# Altium PCB WX0.007.247PCB-4.2.PcbDoc (part 2 of 2)
Units mil, origin at the board's own origin, x right, y up, seen from the top; angles counter-clockwise.
Board outline 4724.41 x 7748.1 mil, 2 copper layers (Top Layer, Bottom Layer), stack 12.8 mil thick; 181 components, 142 nets, 623 pads, 518 vias.
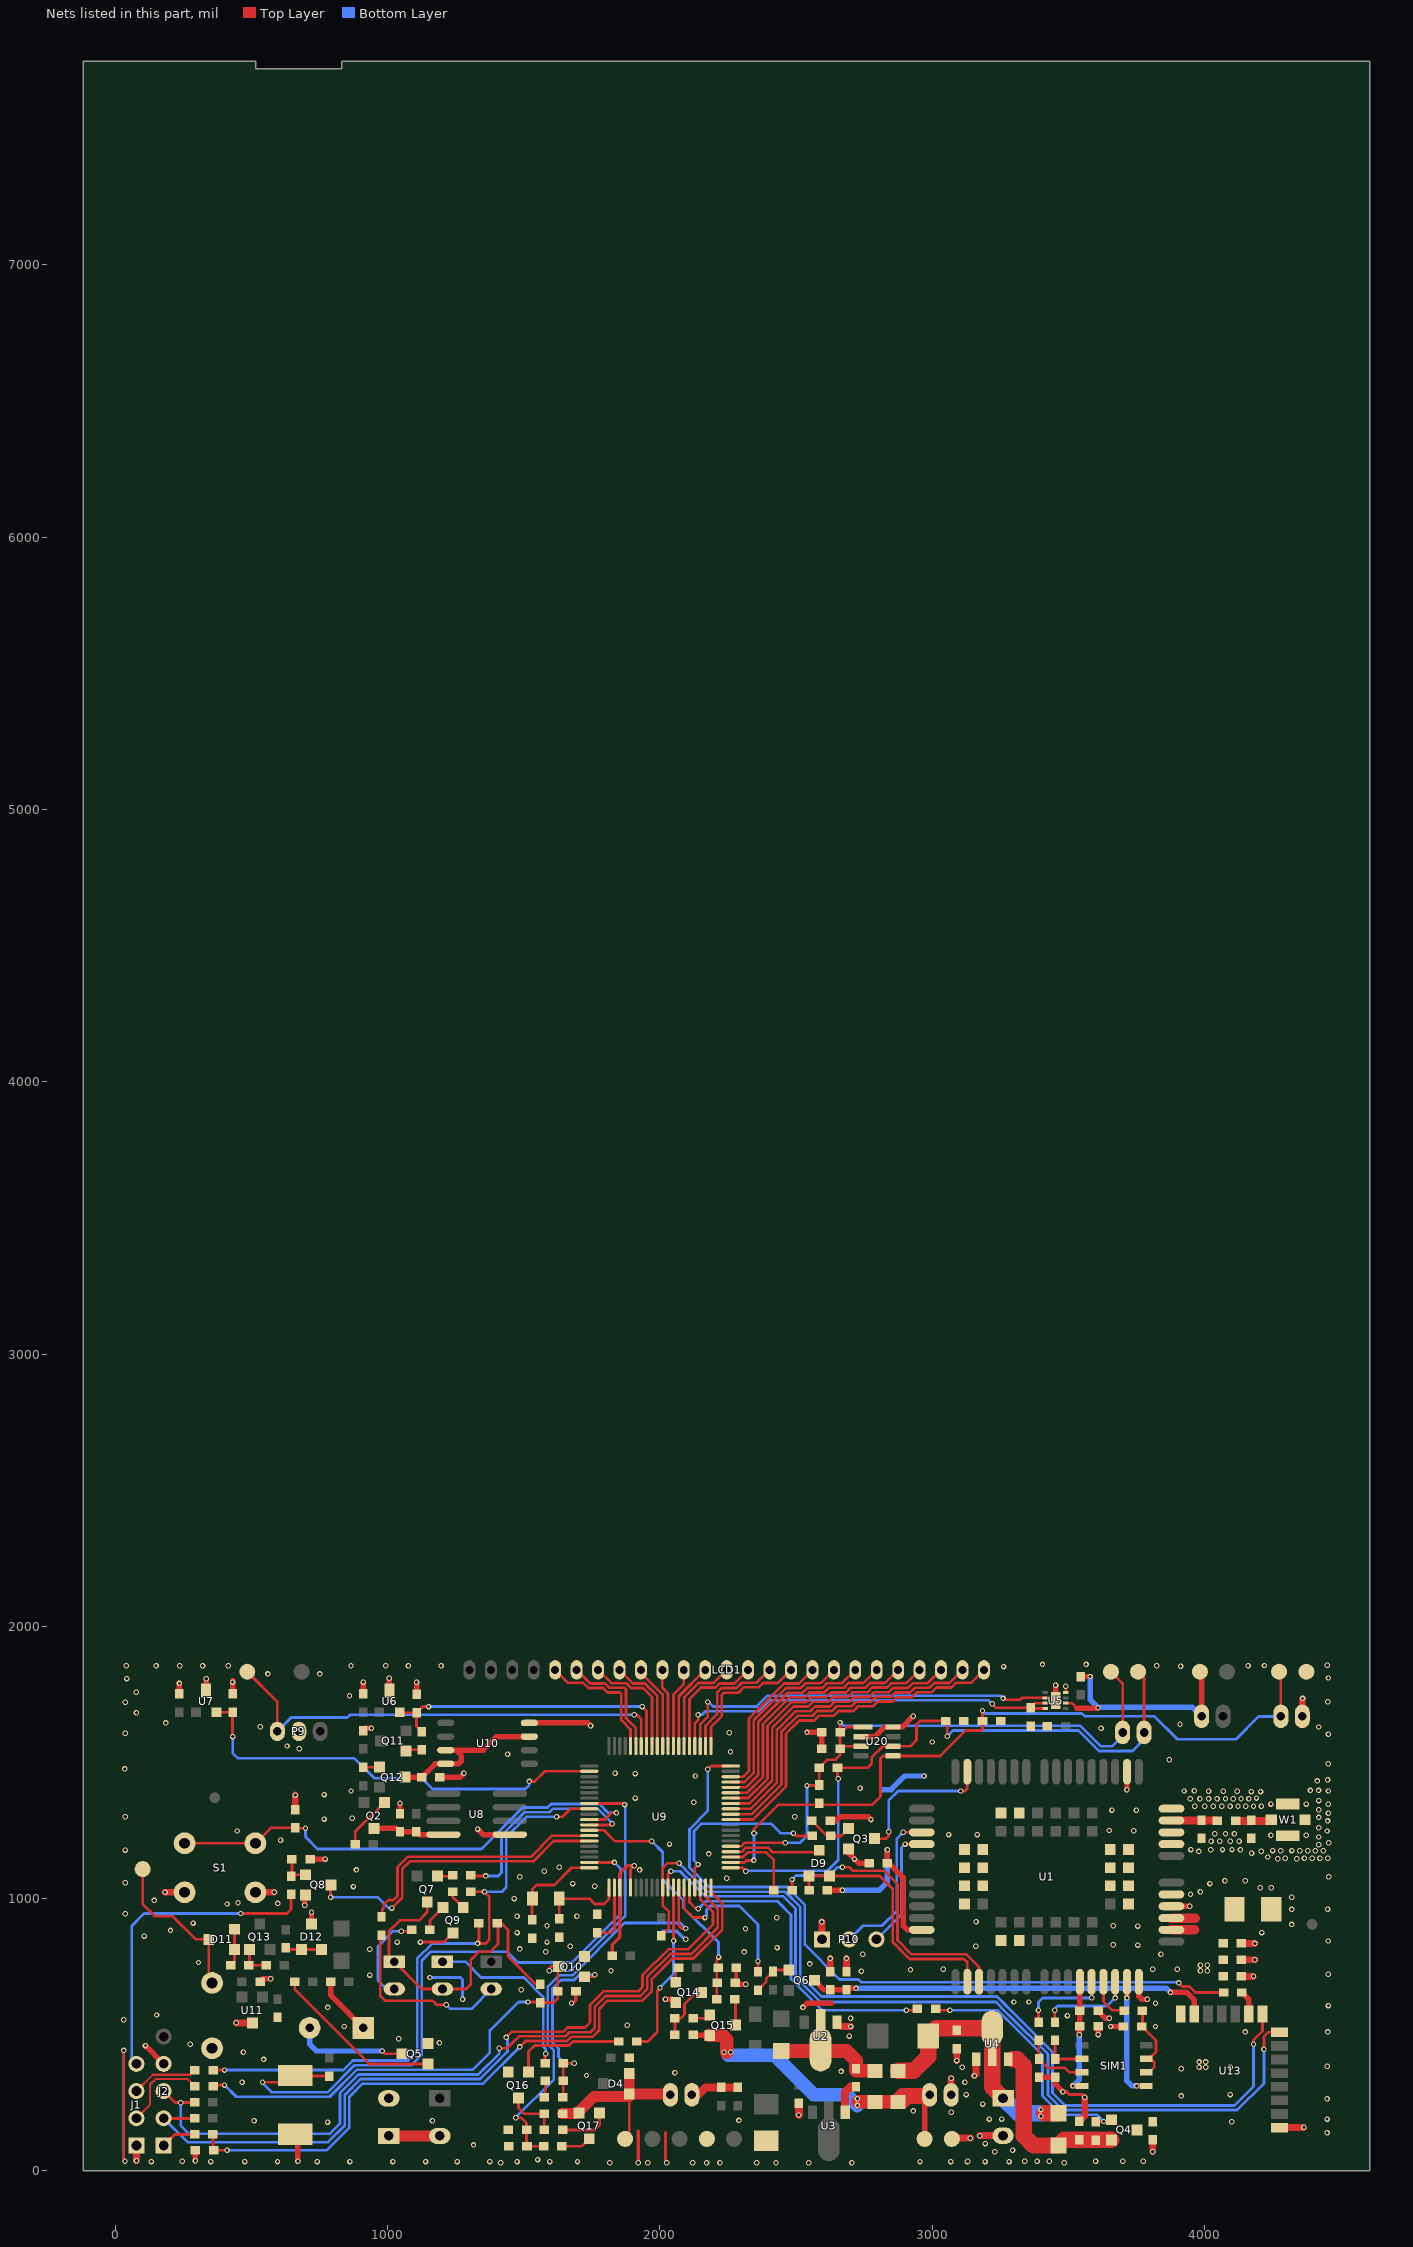
[diagram p2: the nets of this part, all layers, seen from the top]

## Via types
v1: diameter 20, hole 12, Top Layer to Bottom Layer, tented both sides, 518 vias

## Nets (pads, with @x,y where several pads share a name; then routed paths per layer and width w, separated by ;. In a path a pad name is that pad's centre, name@x,y a point inside that pad or via, vN(x,y) a via of type N, cw(c..) or ccw(c..) an arc to the next point about the centre after c; other vN are vias at no path point) (continued)
GND: C1.1 C2.1 C3.2 C4.2 C5.2 C7.2 C9.2 C10.2 C11.2 C12.2 C13.2 C14.2 C16.2 C17.2 C18.2 C19.2 C20.2 C21.2 C22.1 C23.1 C26.2 C27.2 C28.2 C29.2 C30.2 C31.2 C32.1 C33.1 C34.2 C35.2 C36.2 C38.2 C39.1 C41.1 C42.2 C43.2 C44.2 C45.2 C46.2 C47.2 C48.2 C49.2 C50.2 C51.1 C52.2 C60.2 C61.2 C66.2 C89.2 C90.1 D12.3 J1.1 J2.4 P1.1 P2.1 P5.2 P7.2 P9.2 P10.1 Q3.2 Q5.2 Q8.2 Q9.3 Q10.2 Q14.2 Q16.2 R28.1 R38.1 R41.1 R56.2 R82.2 S1.2 S2.2 TP5.1 TP6.1 TP12.1 U1.2 U1.43 U1.47 U1.48 U1.51 U1.52 U1.54 U1.59 U1.60 U1.61 U1.62 U1.63 U1.64 U1.65 U1.66 U1.71 U1.72 U1.73 U1.74 U1.81 U1.82 U1.83 U1.92 U1.93 U1.94 U2.1 U3.1 U4.1 U5.4 U5.9 U6.3 U7.3 U8.1 U9.63 U9.65 U10.4 U11.3 U13.1 U13.15 U20.2 U20.8 W1.2 | length 6543.1
  Top Layer w10: v1(30,442) 30,40 v1(35,35) ; v1(1120,840) v1@1126.91,840 ; v1@1121.79,834.88 v1@1126.91,840 ; Q9.3@1240,872.76 1207.24,840 v1@1126.91,840 ; R41.1@1578.49,273.49 C9.2@1578.49,330 ; U5.4@3490.41,1756.87 v1@3490.41,1779.59
  Top Layer w12: v1(1675,615) 1680,615 1690.92,625.92 1690.92,659.41 C66.2@1691.51,660 ; C39.1@1824.51,790 1824.51,830 1852.36,857.85 U9.63@1852.36,1040.16 1852.36,1092.36 1880,1120 v1(1905,1120) 1891.73,1106.73 U9.65@1891.73,1040.16 ; v1(1920,30) 1920,145 ; 2020,140 2020,35 v1(2025,30) ; R56.2@2280.49,693.49 C51.1@2280.49,745 ; v1(3480,290) 3494.31,290 3503.73,280.57 3549.43,280.57 v1(3560,270)
  Top Layer w20: v1(110,460) J2.4@177,393 ; C28.2@235,1751.51 v1(235,1790) ; v1(293.49,36.51) C43.2@293.49,75 ; U7.3@333,1764 v1(333,1807) ; C29.2@430,1751.51 v1@430,1800 ; C47.2@531.51,695 541.51,705 v1(570,705) ; S2.2@660,133.46 670,123.46 v1(670,35) ; v1(695,975) 695,1004.84 Q8.2@702.76,1012.6 ; R38.1@715,1145 v1(770,1145) ; D12.3@720,906.93 v1(720,950) ; C45.2@910,1616.51 918.49,1625 v1(940,1625) ; C27.2@910,1751.51 v1(910,1795) ; U6.3@1006,1764 v1(1006,1809) ; C34.2@1045,1311.51 v1(1045,1350) ; C30.2@1106,1749.51 v1(1106,1794) ; C36.2@1191.51,1445 1265,1445 v1(1280,1460) ; v1(1330,1255) 1350,1235 U8.1@1448.5,1235 ; U10.4@1520,1645 1735,1645 v1(1745,1635) ; v1(2020,630) 2045.35,630 Q14.2@2057.76,617.6 ; R56.2@2280.49,685 v1(2315,685) ; v1(2524.88,600) 2539.88,615 2630,615 ; v1(2540,1610) C33.1@2594.51,1610 C90.1@2594.51,1555 ; R28.1@2625,1285 2644.77,1285 2659.77,1300 2765,1300 v1(2775,1290) ; Q3.2@2692.76,1182.6 2692.76,1166.74 2729.5,1130 C26.2@2768.49,1130 ; U20.2@2738.03,1594.72 2789.72,1594.72 2825.16,1630.16 U20.8@2856.14,1630.16 2889.84,1630.16 2929.69,1670 v1(2930,1670) ; C19.2@3392.13,343.61 C20.2@3451.88,343.61 3451.88,318.12 v1(3480,290) ; U5.9@3453,1727.34 v1(3453,1783) ; v1(3609.53,500.47) C11.2@3609.53,531.08 C11.2@3610.53,530.08 ; C12.2@3609.53,587.08 3636.61,560 v1(3650,560) ; v1(3655.08,530.08) C21.2@3701.86,530.08 ; v1@3715.28,1400.28 U1.2@3715.28,1465.83 ; U1.43@3758.58,694.17 3758.58,641.42 3770,630 v1(3790,630) ; U1.47@3878.66,971.73 v1(3946.21,971.73)
  Top Layer w25: v1(77,37) J1.1@77,93 ; v1(182,1023) S1.2@254,1023 ; v1(443.31,543.31) U11.3@502.76,543.31 ; S1.2@514,1023 v1(583,1023) ; C31.2@660,1326.51 v1(660,1380) ; P10.1@2595,850 v1@2595,915 ; C60.2@2625,731.51 v1(2625,780) ; U2.1@2650,545 2665,530 v1(2700,530) ; C61.2@2685,731.51 v1(2685,780) ; P1.1@3069.37,279 v1@3069.37,339.37 ; TP5.1@3072,117 3075,120 v1(3140,120) ; v1(3090,405) C50.2@3090,448.49 ; v1(3155,349) 3160.94,354.94 U4.1@3160.94,409.57 ; v1(3174.1,129.1) C13.2@3260,129.1 ; C52.2@3540,181.51 3560,201.51 v1(3560,270) ; v1(3810,70) C46.2@3810,113.49 ; C16.2@4135.01,714 v1@4179,714 ; C17.2@4135.01,775 v1(4185,775) ; C18.2@4135.01,835 v1(4185,835) ; U13.1@4275.32,158.62 v1@4363.62,158.62 ; P7.2@4359,1669 v1@4359,1734
  Top Layer w30: P2.1@2116.74,279 2139,279 2166.51,306.51 C5.2@2225,306.51 C4.2@2285,306.51 ; v1(2510,205) C3.2@2510,248.49 ; U3.1@2680,215 2680,289 2699.49,308.49 C7.2@2720,308.49
  Bottom Layer w10: v1@30,35 v1@30,437 ; v1(1155,710) 1267.09,710 1275,702.09 v1(1275,630)
  Bottom Layer w12: 2008.92,879.62 2061.54,879.62 2091.16,850 v1(2095,850)
  Bottom Layer w20: 2815,1400 2848.89,1400 2898.89,1450 v1(2970,1450)
  other v1: 1415,30 1815,30 1955,30 2120,30 2171,30 2220,30 2355,30 2426,30 2546,30 2705,30 3485,30 131,34 350,34 475,34 595,34 741,34 861,34 1019,34 1139,34 1255,34 1375,34 1475,34 1595,34 1697,34 2955,34 3068,34 3128,34 3194,34 3282,34 245,35 3130,35 3340,35 3385,35 3430,35 3600,35 3700,35 3775,35 1550.32,41.15 3230,70 3295,75 1315,95 3195,100 4450,140 4365,160 779,179 4100,180 509,184 1164,184 2290,185 3210,190 3255,190 4450,190 3070,215 2930,220 3185,245 4450,265 3915,275 3125,280 4095,280 465,325 3120,325 3070,340 1730,350 2055,360 2665,365 3915,375 3110,380 4095,380 4451,384 544,409 470,435 275,465 1190,470 1040,485 2695,495 4150,510 4453,510 840,530 3820,530 1880,535 30,555 2700,560 3496.38,570.1 150.78,572.29 780,600 4455,607 3820,615 3300,620 3355,620 1490,665 4180,715 934,719 4454,722 2740,733 1820,735 2920,738 3040,740 3810,740 3900,740 2550,760 305,765 2745,795 3840,795 2309,804 1580,805 934,814 1485,815 2430,820 1670,825 3160,825 3755,829 3665,830 1035,840 1585,840 4454,844 106,862 1475,875 4210,875 202,883 2314,889 3755,899 1585,900 3665,900 4320,905 285,910 2594,914 3161,915 2429,929 1475,934.49 1695,934.49 36,944 4320,960 4452,961 409.74,980 596,982 450,985 142,993 1465,1000 4320,1005 3948.51,1015.51 3985,1025 4205,1040 4245,1040 874,1044 1760,1045 1680,1055 4020,1055 36,1058 4075,1065 4150,1065 2245,1075 1485,1080 4456,1080 1575,1100 885,1105 1925,1105 1630,1115 2714.5,1145 4269,1146 4339,1146 4297,1148 4367,1148 4396,1148 4424,1148 4453,1148 4232.63,1152.6 2179,1164 4173,1166 3979,1173 4208,1174 4280,1176 4350,1176 4379,1176 4407,1176 4436,1176 4251.01,1176.31 4321.01,1176.31 36,1178 4023,1179 4132,1179 3950,1180 4066,1180 4101,1180 4420,1198 2035,1200 4456,1205 4024,1210 4056,1210 4095,1210 4127,1210 606.34,1214.01 4420,1226 4244,1232 4374,1232 3060,1235 3165,1235 4038,1238 4077,1238 4110,1238 447,1248 4450,1248 3740,1249 3650,1250 4420,1260 4452,1285 766,1292 870,1295 4420,1298 36,1300 2495,1300 4455,1313 3750,1324 3660,1325 4420,1326 3964,1339 4001,1339 4032,1339 4063,1339 4094,1339 4123,1339 4151,1339 4180,1339 4208.99,1338.69 4454,1346 4244,1347 4374,1347 2124,1354 4420,1360 3948,1367 3983,1367 4015,1367 4046,1367 4077,1367 4106,1367 4134,1367 4163,1367 1909,1369 4191,1369 766,1382 4172,1393 4206,1393 4015,1394 4069,1394 4120,1394 865,1395 3925,1395 4455,1395 3963,1396 4389,1397 4419,1397 3715,1400 2735,1405 4414,1432 4452,1436 2130,1450 1909,1459 1835,1460 34,1476 4454,1495 3870,1510 1440,1530 2259,1539 675,1550 630.36,1560.32 3000,1575 4455,1603 36,1607 2254,1609 3620,1625 4420,1630 531.55,1630.74 3910,1640 185,1645 77,1682 36,1721 4453,1723 4360,1735 859.5,1745.26 76,1758 3490,1780 430,1795 41,1808 4455,1810 560,1825 750,1825 3262,1852 3912,1853 40,1855 149,1855 236,1855 320,1855 414,1855 865,1855 993,1855 1076,1855 1196,1855 3825,1855 4160,1855 4220,1856 4451,1857 3405,1860 3565,1860
GPRS_POWER: R18.1 U9.76 | length 1217.9
  Top Layer w10: U9.76@2108.27,1040.16 2108.27,986.73 2132.92,962.08 v1(2140.51,962.08) ; v1(2905,590) 2940,590 R18.1@2945,595
  Bottom Layer w10: v1(2140.51,962.08) 2168.43,990 2431,990 2481,940 2481,704 2595,590 v1(2905,590)
GPRS_RST: R19.1 U9.77 | length 683.3
  Top Layer w10: U9.77@2127.95,1040.16 2127.95,1112.95 v1(2140,1125) ; v1(2490,1240) 2500,1230 R19.1@2560,1230
  Bottom Layer w10: v1(2140,1125) 2125,1140 2125,1247.05 2152.95,1275 2407.43,1275 2442.43,1240 v1(2490,1240)
HALL1_INTP6: C29.1 U7.2 U9.42 | length 1608.1
  Top Layer w10: U7.2@371,1684 429.49,1684 C29.1@430,1684.51 v1@430,1595 ; v1(1520,1430) 1539.49,1430 1576.81,1467.32 U9.42@1740.16,1467.32
  Bottom Layer w10: v1(430.49,1595) 430.49,1535 450.49,1515 877.43,1515 950.43,1442 1124.47,1442 1164.47,1402 1505,1402 1520,1417 v1(1520,1430)
HALL2_INTP7: C30.1 R3.1 U6.2 U9.33 | length 1127.5
  Top Layer w10: U6.2@1045.49,1682.51 C30.1@1106,1682.51 ; R3.1@1125,1613.36 1106,1632.36 C30.1@1106,1682.51 ; v1(1150,1705) 1128.49,1705 C30.1@1106,1682.51 ; v1(1935,1705) 1950.79,1689.21 U9.33@1950.79,1559.84
  Bottom Layer w10: v1(1150,1705) v1(1935,1705)
IRDA_CTL: R17.1 U9.52 | length 812.9
  Top Layer w10: R17.1@1305,1085 1307,1083 v1(1360,1083) ; U9.52@1740.16,1270.47 1820.47,1270.47 v1(1825,1275)
  Bottom Layer w10: v1(1360,1083) 1406,1083 1418,1095 1418,1232.04 1502.96,1317 1594.57,1317 1607.57,1330 1770,1330 v1(1825,1275)
IRDA_POW: D5.1 D6.2 Q7.3 R20.1 R27.2 | length 1260.2
  Top Layer w10: Q7.3@1147.5,985.26 Q7.3@1145,987.76 1145,950 1115,920 1045,920 1005,880 1005,787 D5.1@1024,768 1124,668 D6.2@1201,668 1288,668 1305,685 1305,775 1335,805 1377.43,805 1405,832.57 1405,870.5 1405,907 R27.2@1402,910 1417,910 1442,885 1442,788 1545,685 R20.1@1560,685
IRDA_RXD1: C66.1 Q10.3 R20.2 R37.2 U9.48 | length 2548.8
  Top Layer w10: R37.2@358.86,310.72 363.14,315 v1(400.49,315) ; v1(1515,620) R20.2@1558,620 ; R20.2@1560,618 1610.07,618 1624.51,632.44 C66.1@1624.51,660 1624.51,746.75 Q10.3@1627.76,750 1600,750 1592.76,742.76 v1(1592.76,735) ; U9.48@1740.16,1349.21 1865.79,1349.21 v1(1870,1345)
  Bottom Layer w10: v1(400.49,315) 443.49,272 787,272 886,371 1311,371 1375,435 1375,515 1480,620 v1(1515,620) ; v1(1592.76,735) 1670.96,735 1872,936.04 1872,1343 v1(1870,1345)
IRDA_TXD1: R10.1 R27.1 R36.2 U9.49 | length 2335.9
  Top Layer w10: R36.2@358.86,369.4 359.46,370 v1(400.49,370) ; R10.1@1305,1025 v1(1355,1025) 1372.5,1007.5 1372.5,847.5 1360,835 v1(1330,835) ; v1@1335,840 R27.1@1335,910 ; v1(1620,1300) 1640.96,1300 1670.49,1329.53 U9.49@1740.16,1329.53
  Bottom Layer w10: v1(400.49,370) 836.92,370 871.92,405 1075,405 1108,438 1108,779 1164,835 v1(1330,835) ; v1(1355,1025) 1420,1025 1435,1040 1435,1225 1510,1300 v1(1620,1300)
KEY_INTP0: C31.1 S1.1 U9.51 | length 1851.1
  Top Layer w10: S1.1@254,1203 S1.1@514,1203 570.51,1259.51 C31.1@660,1259.51 661.56,1257.95 v1(697.95,1257.95) ; U9.51@1740.16,1290.16 1797.73,1290.16 1822.57,1315 v1(1840,1315)
  Bottom Layer w10: v1(697.95,1257.95) 697.95,1227.05 742.76,1182.24 1344.16,1182.24 1495.92,1334 1587.53,1334 1600.53,1347 1777.04,1347 1809.04,1315 v1(1840,1315)
LED: R7.1 U9.54 | length 971
  Top Layer w10: R7.1@977,933.01 980,936.01 980,960.39 985,965.39 985,977.43 1002.57,995 1020.96,995 1036,1010.04 1036,1115.7 1074.3,1154 1528.04,1154 1564.98,1190.94 1564.98,1192.85 1603.23,1231.1 U9.54@1740.16,1231.1
MCU_RXD0: R29.2 U9.3 | length 294.1
  Top Layer w10: U9.3@2259.84,1152.36 2305.45,1152.36 2323.08,1170 2390,1170 2418,1142 R29.2@2418,1025
MCU_TXD0: D9.3 U9.4 | length 331.1
  Top Layer w10: U9.4@2259.84,1172.05 2301.09,1172.05 2316.04,1187 2397.04,1187 2414.04,1170 D9.3@2577.76,1170
NetB1_1: B1.1 R42.1 | length 219.7
  Top Layer w20: R42.1@790,695 790,645 825,610 B1.1@910,525
NetB1_2: B1.2 Q5.3 | length 414.1
  Top Layer w10: v1(980,440) 990,430 Q5.3@1052.76,430
  Bottom Layer w20: B1.2@713.15,525 713.15,465 738.15,440 v1(980,440)
NetC1_2: C1.2 R2.1 W1.1 | length 126.8
  Top Layer w30: R2.1@4114.17,1285 W1.1@4241,1285
NetC2_2: C2.2 R2.2 U1.53 | length 166.8
  Top Layer w30: U1.53@3878.66,1286.69 R2.2@4045.48,1286.69
NetC6_2: C6.2 C44.1 | length 187.3
  Top Layer w40: C44.1@1004,128.1 C6.2@1191.32,128.1
NetC9_1: C9.1 Q10.1 R9.1 R41.2 | length 696.7
  Top Layer w10: R41.2@1645,273 R9.1@1645,395 v1(1685,395) ; Q10.1@1722.24,712.6 1752.6,712.6
  Bottom Layer w10: v1(1685,395) 1650,395 1627,418 1627,449.47 1605,471.47 1605,670 1636,701 1685.04,701 1704.04,720 v1(1760,720)
NetC13_1: C13.1 C50.1 D1.2 D13.2 R50.1 U4.2 | length 948.1
  Top Layer w60: D13.2@2875,367.09 2932.09,367.09 2985,420 D1.2@2985,495 3013.74,523.74 U4.2@3220,523.74 U4.2@3220,434.57 3220,306.9 C13.1@3260,266.9 ; 3411.13,211.13 R50.1@3463.87,211.13
  Bottom Layer w60: C13.1@3260,266.9 3315.77,211.13 3405,211.13
  other v1: 3399.06,200 3399.06,225
NetC34_1: C34.1 Q2.3 R45.1 U8.8 | length 263.8
  Top Layer w20: Q2.3@950,1257.76 1031.75,1257.76 1044.51,1245 R45.1@1105,1245 1115,1235 U8.8@1204.41,1235
NetC36_1: C36.1 Q12.3 U10.3 U10.7 U10.8 | length 605.8
  Top Layer w20: Q12.3@1065.17,1445 C36.1@1124.51,1445 1174.51,1495 U10.8@1212.91,1495 1260,1495 1270,1505 1270,1525 1250,1545 ; U10.7@1212.91,1545 1250,1545 ; U10.3@1520,1595 1400,1595 1350,1545 1250,1545
NetC38_1: C38.1 U9.62 | length 220.6
  Top Layer w10: C38.1@1770,874.51 1819.51,874.51 1832.68,887.68 U9.62@1832.68,1040.16
NetC52_1: C52.1 Q4.2 R16.2 R50.2 U4.3 | length 653.5
  Top Layer w60: 3295,410 3312.5,410 3336.37,386.13 3336.37,128.63 3371.98,93.02 R50.2@3463.87,93.02 3484.58,113.73 Q4.2@3657.76,113.73
NetD5_2: D5.2 R12.2 | length 340
  Top Layer w10: v1(1050,880) R12.2@1083,880
  Bottom Layer w10: D5.2@1024,668 995,668 964,699 964,824 1020,880 v1(1050,880)
NetD6_1: D6.1 R9.2 | length 672
  Top Layer w10: R9.2@1578,395 1578,428 v1(1580,430)
  Bottom Layer w10: D6.1@1201,768 1285,768 1343,710 1500,710 1571,639 1571,457.38 1580,448.38 v1(1580,430)
NetD7_2: D7.2 R7.2 | length 685.2
  Top Layer w10: R7.2@977,866.01 972.63,866.01 972.63,642.37 990,625 1165,625 1180,610 v1(1215,610)
  Bottom Layer w10: v1(1215,610) 1230,595 1307,595 D7.2@1380,668
NetD9_1: D9.1 D9.2 R34.2 U1.29 | length 950.9
  Top Layer w10: R34.2@2547.6,1030.4 D9.1@2547.6,1082.76 D9.2@2622.4,1082.76 2807.24,1082.76 2855,1035 2855,840 2917,778 3117,778 3128.66,766.34 U1.29@3128.66,694.17
NetD11_1: D11.1 D11.2 R74.2 | length 138.3
  Top Layer w10: R74.2@423,755 437.24,769.24 D11.1@437.24,812.6 D11.2@437.24,887.4
NetD11_3: D11.3 P5.1 TP20.1 | length 589.7
  Top Layer w10: TP20.1@100,1108 100,980 145,935 210,935 295,850 D11.3@342.76,850 342.76,702.24 P5.1@355,690
NetD12_1: D12.1 D12.2 R75.1 | length 134.9
  Top Layer w10: R75.1@625,818.44 631,812.44 D12.1@682.6,812.44 D12.2@757.4,812.44
NetJ1_2: J1.2 R37.1 | length 329.1
  Top Layer w8: J1.2@77,193 127,243 127,317 147.47,337.47 265.1,337.47 R37.1@291.86,310.72
NetJ1_3: J1.3 R36.1 | length 246.5
  Top Layer w8: J1.3@77,293 136.47,352.47 274.93,352.47 R36.1@291.86,369.4
NetJ1_4: J1.4 R31.1 | length 1178.9
  Top Layer w10: v1(460,945) 630,945 645,960 R31.1@645,1015
  Bottom Layer w10: J1.4@77,393 60,410 60,900 105,945 v1(460,945)
NetJ2_1: J2.1 R1.2 | length 130.7
  Top Layer w10: J2.1@177,93 217.68,133.68 R1.2@290.86,133.68
NetP10_2: P10.2 U1.19 | length 584.5
  Top Layer w10: v1(2893.39,1243.39) U1.19@2961.34,1243.39
  Bottom Layer w10: P10.2@2695,850 2745,900 2815,900 2870,955 2870,1220 v1(2893.39,1243.39)
NetP10_3: P10.3 U1.20 | length 454.9
  Top Layer w10: v1(2900.08,1200.08) U1.20@2961.34,1200.08
  Bottom Layer w10: P10.3@2795,850 2887,942 2887,1187 v1(2900.08,1200.08)
NetQ2_1: Q2.1 R44.2 | length 196.5
  Top Layer w10: R44.2@880.64,1200 880.64,1245.48 Q2.1@987.4,1352.24
NetQ3_1: Q3.1 R19.2 R28.2 | length 157.6
  Top Layer w10: R28.2@2558,1285 R19.2@2613,1230 ; R19.2@2627,1230 2665,1230 2687.76,1252.76 Q3.1@2687.76,1262.4
NetQ4_1: Q4.1 R16.1 R18.2 | length 938.4
  Top Layer w10: R18.2@3012,595 3017,590 v1(3065,590) ; R16.1@3608.87,181.13 v1(3630,181.13) 3659.23,181.13 Q4.1@3666.63,188.53
  Bottom Layer w10: v1(3065,590) 3239.49,590 3273.49,556 3274,556 3405,425 3405,274.49 3473.49,206 3605.13,206 v1(3630,181.13)
NetQ5_1: Q5.1 R47.2 | length 630.9
  Top Layer w10: R47.2@658,695 658,667 683,642 932.4,392.6 Q5.1@1147.24,392.6
NetQ6_1: Q6.1 R69.2 R70.2 | length 150.8
  Top Layer w10: R70.2@2360,664 2390,694 2390,707 R69.2@2415,732 2420.4,737.4 Q6.1@2472.76,737.4
NetQ7_1: Q7.1 R17.2 | length 52.8
  Top Layer w10: Q7.1@1182.4,1082.24 R17.2@1235.24,1082.24
NetQ8_1: Q8.1 R31.2 R38.2 | length 124.2
  Top Layer w10: R31.2@635,1082 640.4,1087.4 R31.2@648,1087.4 ; R38.2@635,1142 R38.2@638,1145 ; R31.2@648,1085 R31.2@648,1087.4 ; R38.2@648,1145 R31.2@648,1087.4 ; Q8.1@692.76,1087.4 R31.2@648,1087.4
NetQ9_1: Q9.1 R10.2 | length 74.1
  Top Layer w10: R10.2@1238,1025 1238,1006.65 Q9.1@1277.4,967.24
NetQ9_2: Q9.2 R12.1 | length 102
  Top Layer w10: R12.1@1155,885 1155,919.65 Q9.2@1202.6,967.24
NetQ11_1: Q11.1 R3.2 | length 52.8
  Top Layer w10: Q11.1@1072.24,1546.36 R3.2@1125,1546.36
NetQ12_1: Q12.1 R49.2 | length 58.6
  Top Layer w10: R49.2@910,1482 Q12.1@967.81,1482 ; Q12.1@968.64,1483.64 Q12.1@969.45,1483.64
NetQ13_1: Q13.1 R74.1 R76.2 | length 121.5
  Top Layer w10: Q13.1@492.6,812.44 492.6,757.6 R74.1@490,755 R76.2@553,755
NetQ14_1: Q14.1 R14.2 | length 42.4
  Top Layer w10: Q14.1@2057.76,692.4 R14.2@2057.76,734.76
NetQ14_3: Q14.3 R13.1 R55.1 | length 199
  Top Layer w10: R13.1@2055,500 R55.1@2055,560 2075.5,560 2090,574.5 2090,612.76 Q14.3@2132.24,655
NetQ15_1: Q15.1 R55.2 | length 65.9
  Top Layer w10: R55.2@2122,560 2170.35,560 Q15.1@2182.76,572.4
NetQ15_3: Q15.3 R15.1 | length 92.8
  Top Layer w10: Q15.3@2277.24,535 R15.1@2277.24,627.76
NetQ16_1: Q16.1 R80.2 | length 421.3
  Top Layer w10: Q16.1@1517.4,362.24 1517.4,437.4 1540,460 1665.96,460 1680.96,475 R80.2@1848,475
NetQ16_3: Q16.3 R39.1 R40.1 | length 204.9
  Top Layer w10: Q16.3@1482.76,265 Q16.3@1480,267.76 1480,230 1500,210 R39.1@1575,210 R40.1@1575,150
NetQ17_1: Q17.1 R40.2 | length 187.5
  Top Layer w10: R40.2@1642,150 1760,150 1777.4,167.4 Q17.1@1777.4,212.24
NetQ17_3: Q17.3 R81.1 | length 111.5
  Top Layer w10: R81.1@1640,90 1712.24,90 Q17.3@1740,117.76
NetR29_1: R29.1 U1.30 | length 1072.1
  Top Layer w10: R29.1@2485,1030 v1(2485,1070) ; v1(2670,1115) 2695,1115 2707.5,1102.5 2822.5,1102.5 2872,1053 2872,847.04 2924.04,795 3125,795 3171.97,748.03 U1.30@3171.97,694.17
  Bottom Layer w10: v1(2485,1070) 2500,1085 2621.62,1085 2651.62,1115 v1(2670,1115)
NetR73_1: R73.1 U9.20 | length 2716.2
  Top Layer w10: v1(2175,1475) 2187.01,1487.01 U9.20@2259.84,1487.01 ; v1(3905,690) 3918,677 3944.11,677 3966.11,655 R73.1@4070,655
  Bottom Layer w10: v1(2175,1475) 2175,1321.09 2108,1254.09 2108,1115.08 2110,1113.08 2110,1112.57 2180.57,1042 2467.04,1042 2532,977.04 2532,830.57 2659.57,703 2729.43,703 2740.07,692.35 3902.65,692.35 v1(3905,690)
OPEN: U5.6 U9.23 | length 1446.7
  Top Layer w10: U9.23@2147.64,1559.84 2147.64,1638.71 2175,1666.08 v1(2175,1721.9) ; v1(3260,1735) 3265,1730 3322.43,1730 3329.61,1737.18 U5.6@3415.6,1737.18
  Bottom Layer w10: v1(2175,1721.9) 2178.1,1721.9 2195,1705 2355,1705 2395,1745 3250,1745 v1(3260,1735)
R: C24.1 P3.1 TP21.1 U5.2 | length 852.8